# Altium PCB REV0.PcbDoc (part 1 of 2) (continued)
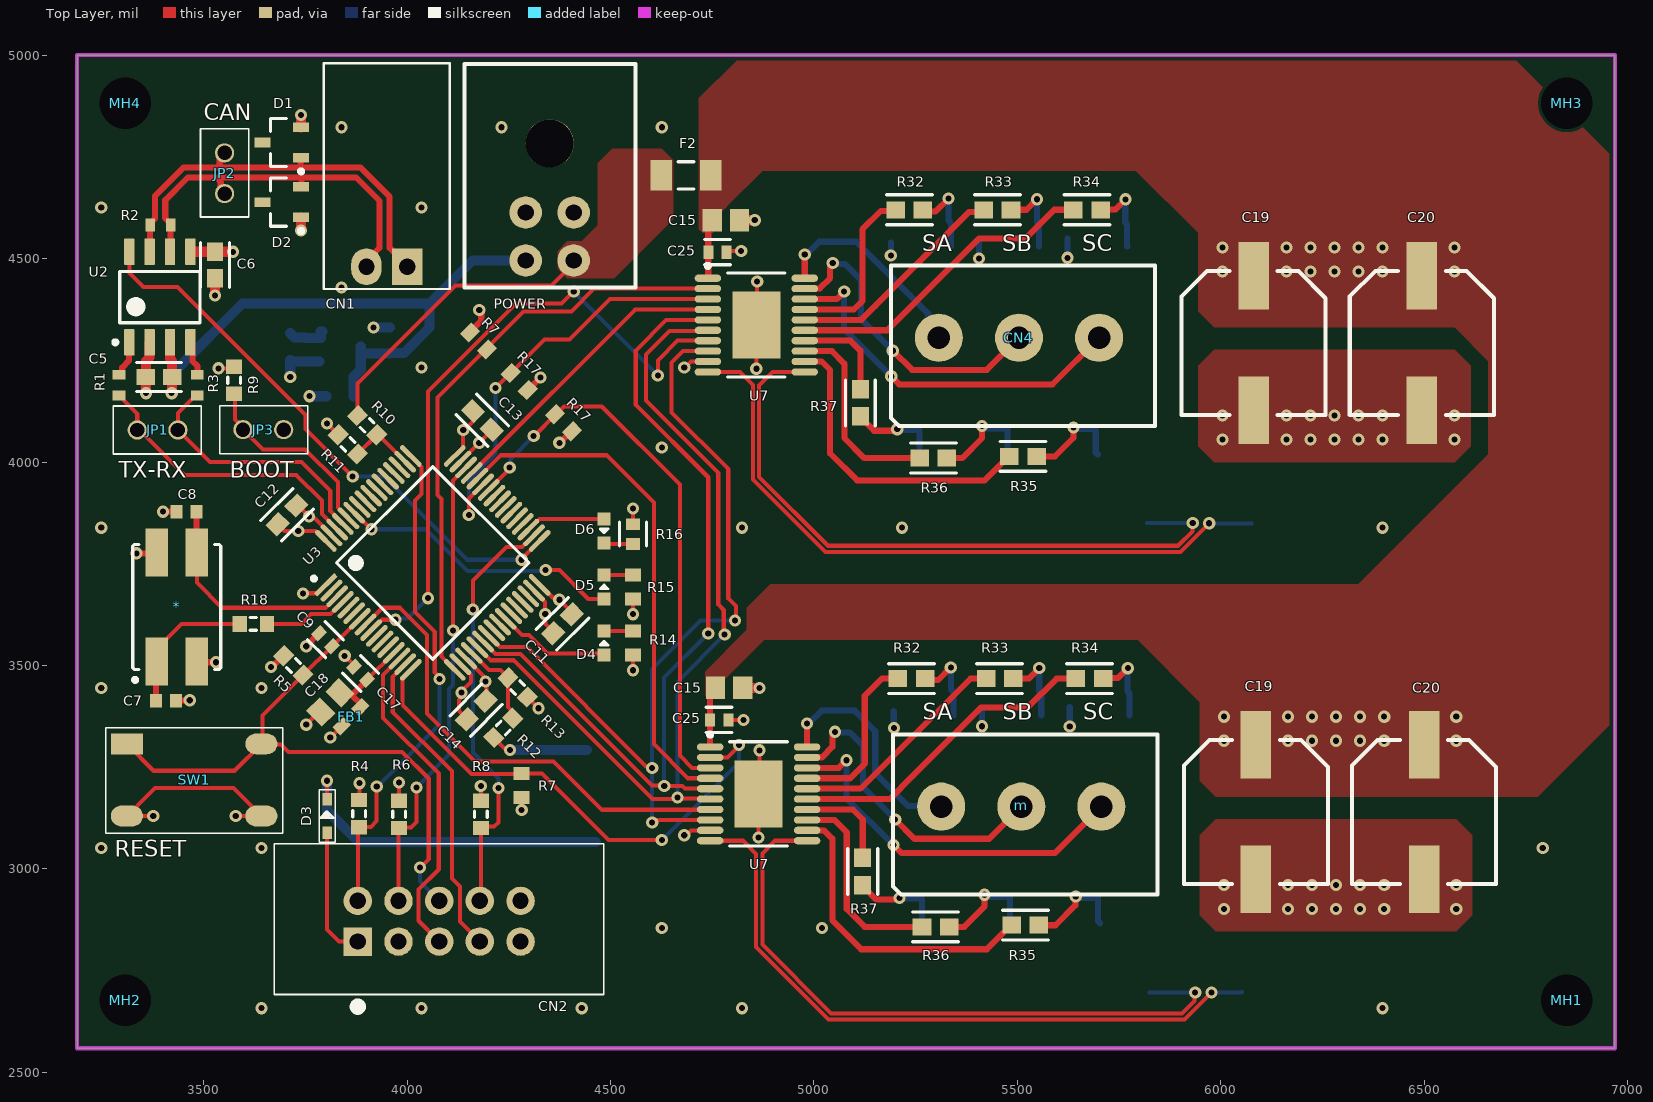
[diagram p0: Top Layer view]
## Components (designator, comment, footprint, x,y, rotation, side; value= is the part's Value field where it differs from the comment) (continued)
POWER "Header, Female, 2x2, RIght Angle, Pitch: 0.118\"  (3.00mm), THT" "2x2 Pitch 118mil connector" 4291.34,4613.39 r0 top (schematic designator "POWER RAIL")
Q2 "SI7625DN-T1-GE3" "PowerPAK 1212-8" 5259.06,4529.63 r0 bottom
Q2 "SI7625DN-T1-GE3" "PowerPAK 1212-8" 5264.76,3377.27 r0 bottom
Q3 "SI7625DN-T1-GE3" "PowerPAK 1212-8" 5475.59,4529.63 r0 bottom
Q3 "SI7625DN-T1-GE3" "PowerPAK 1212-8" 5481.3,3377.27 r0 bottom
Q4 "SI7625DN-T1-GE3" "PowerPAK 1212-8" 5692.13,4529.63 r0 bottom
Q4 "SI7625DN-T1-GE3" "PowerPAK 1212-8" 5697.83,3377.27 r0 bottom
Q5 "SIS476DN-T1-GE3" "PowerPAK 1212-8" 5337.01,4077.46 r180 bottom
Q5 "SIS476DN-T1-GE3" "PowerPAK 1212-8" 5342.72,2925.1 r180 bottom
Q6 "SIS476DN-T1-GE3" "PowerPAK 1212-8" 5553.54,4077.46 r180 bottom
Q6 "SIS476DN-T1-GE3" "PowerPAK 1212-8" 5559.25,2925.1 r180 bottom
Q7 "SIS476DN-T1-GE3" "PowerPAK 1212-8" 5770.08,4077.46 r180 bottom
Q7 "SIS476DN-T1-GE3" "PowerPAK 1212-8" 5775.79,2925.1 r180 bottom
R1 "RC0603FR-0733RL" RESC1608X55X25LL10T15 3291.34,4188.98 r90 top
R2 "RC0603FR-07120RL" RESC1608X55X25LL10T15 3393.7,4582.68 r180 top
R3 "RC0603FR-0733RL" RESC1608X55X25LL10T15 3484.25,4188.98 r90 top
R4 "10kR, 1%, 1/10W, 0603 SMD" "RESC1608N(0603\")" 3881.89,3135.83 r90 top value=10k
R5 "10kR, 1%, 1/10W, 0603 SMD" "RESC1608N(0603\")" 3720.47,3500 r135 top value=10k
R6 "10kR, 1%, 1/10W, 0603 SMD" "RESC1608N(0603\")" 3980.32,3133.86 r90 top value=10k
R7 "RC0603FR-0710KL" RESC1608X55X25ML10T15 4175.2,4297.24 r315 top
R7 "RC0603FR-0710KL" RESC1608X55X25ML10T15 4281.5,3204.72 r90 top
R8 "10kR, 1%, 1/10W, 0603 SMD" "RESC1608N(0603\")" 4181.1,3133.86 r90 top value=10k
R9 "10kR, 1%, 1/10W, 0603 SMD" "RESC1608N(0603\")" 3574.8,4200.79 r270 top value=10k
R10 "31.6kR, 1%, 1/10W, 0603, SMD" "RESC1608N(0603\")" 3901.62,4090.51 r135 top value=31.6kR
R11 "10kR, 1%, 1/10W, 0603 SMD" "RESC1608N(0603\")" 3854.37,4043.27 r315 top value=10k
R12 "5.62kR, 1%, 1/10W , 0603, SMD" "RESC1608N(0603\")" 4236.18,3346.42 r225 top value=5.62k
R13 "10kR, 1%, 1/10W, 0603 SMD" "RESC1608N(0603\")" 4271.65,3445.87 r135 top value=10k
R14 "RC0603FR-07110RL" RESC1608X55X25ML10T15 4555.12,3555.12 r90 top
R15 "RC0603FR-07110RL" RESC1608X55X25ML10T15 4555.12,3692.91 r90 top
R16 "CRCW0603330RFKEA" FP-CRCW0603-e3-IPC_C 4555.12,3822.83 r270 top
R17 "RC0603FR-0710KL" RESC1608X55X25ML10T15 4275.59,4197.83 r135 top
R17 "RC0603FR-0710KL" RESC1608X55X25ML10T15 4384.63,4096.67 r135 top
R18 "10kR, 1%, 1/10W, 0603 SMD" "RESC1608N(0603\")" 3622.05,3602.36 r180 top value=0
R29 "100kR, 1%, 1/10W, 0603 SMD" "RESC1608N(0603\")" 5298.03,4588.98 r180 bottom value=100k
R29 "100kR, 1%, 1/10W, 0603 SMD" "RESC1608N(0603\")" 5303.74,3436.62 r180 bottom value=100k
R30 "100kR, 1%, 1/10W, 0603 SMD" "RESC1608N(0603\")" 5514.57,4588.98 r180 bottom value=100k
R30 "100kR, 1%, 1/10W, 0603 SMD" "RESC1608N(0603\")" 5520.27,3436.62 r180 bottom value=100k
R31 "100kR, 1%, 1/10W, 0603 SMD" "RESC1608N(0603\")" 5731.1,4588.98 r180 bottom value=100k
R31 "100kR, 1%, 1/10W, 0603 SMD" "RESC1608N(0603\")" 5736.81,3436.62 r180 bottom value=100k
R32 "ERJ3EKF10R0V" FP-ERJ3EK-IPC_A 5234.29,4620.08 r0 top
R32 "ERJ3EKF10R0V" FP-ERJ3EK-IPC_A 5240,3467.72 r0 top
R33 "ERJ3EKF10R0V" FP-ERJ3EK-IPC_A 5450.82,4620.08 r0 top
R33 "ERJ3EKF10R0V" FP-ERJ3EK-IPC_A 5456.53,3467.72 r0 top
R34 "ERJ3EKF10R0V" FP-ERJ3EK-IPC_A 5671.29,4620.08 r0 top
R34 "ERJ3EKF10R0V" FP-ERJ3EK-IPC_A 5677,3467.72 r0 top
R35 "ERJ3EKF10R0V" FP-ERJ3EK-IPC_A 5513.81,4013.78 r0 top
R35 "ERJ3EKF10R0V" FP-ERJ3EK-IPC_A 5519.52,2861.42 r0 top
R36 "ERJ3EKF10R0V" FP-ERJ3EK-IPC_A 5293.34,4009.84 r0 top
R36 "ERJ3EKF10R0V" FP-ERJ3EK-IPC_A 5299.05,2857.49 r0 top
R37 "ERJ3EKF10R0V" FP-ERJ3EK-IPC_A 5114.17,4145.64 r270 top
R37 "ERJ3EKF10R0V" FP-ERJ3EK-IPC_A 5119.88,2993.28 r270 top
R38 "100kR, 1%, 1/10W, 0603 SMD" "RESC1608N(0603\")" 5298.03,4018.11 r180 bottom value=100k
R38 "100kR, 1%, 1/10W, 0603 SMD" "RESC1608N(0603\")" 5303.74,2865.75 r180 bottom value=100k
R39 "100kR, 1%, 1/10W, 0603 SMD" "RESC1608N(0603\")" 5514.57,4018.11 r180 bottom value=100k
R39 "100kR, 1%, 1/10W, 0603 SMD" "RESC1608N(0603\")" 5520.27,2865.75 r180 bottom value=100k
R40 "100kR, 1%, 1/10W, 0603 SMD" "RESC1608N(0603\")" 5731.1,4018.11 r180 bottom value=100k
R40 "100kR, 1%, 1/10W, 0603 SMD" "RESC1608N(0603\")" 5736.81,2865.75 r180 bottom value=100k
R41 "CSRL3-0R001F8" "RESC6332N(2512\")" 5945.87,3909.45 r180 bottom value=0.001
R41 "CSRL3-0R001F8" "RESC6332N(2512\")" 5951.58,2757.09 r180 bottom value=0.001
SW1 "PTS645SL43SMTR92LFS" 4-SPST-NO 3318.9,3307.09 r0 top
U1 "3.3V 250mA Linear Reg LDO" SOT95P245X110-3N 3838.58,4283.46 r0 bottom
U2 "CAN Transceiver" 8-SOIC 3392.1,4405.51 r90 top
U3 "STM32F413RGT6" FP-LQFP64-5W-IPC_A 4062.99,3751.97 r45 top
U7 "A4963, BLDC, 3Phase" TSOP65P640X120_HS-21M 4858.27,4336.61 r0 top
U7 "A4963, BLDC, 3Phase" TSOP65P640X120_HS-21M 4863.98,3184.26 r0 top

## Footprints (in the part's own frame and the unit in brackets; to place one, negate y for a bottom-side part, rotate by r counter-clockwise, add the part's x,y. Pads: shape width x height; smd on the part's side, far side on the other; paste and mask are expansions set on the pad)
"2X1 Female Header" [mil]
  rect 90x75 hole 40: 1(0,0)
  oval 90x75 hole 40: 2(0,-100)
  silkscreen extent -500,-205 55,105, body extent -495,-200 40,100, height 273
"2X1 Males Header" [mm]
  round 1.2 hole 0.9: 1(0,0) 2(2.54,0)
  silkscreen extent -1.5,-1.5 4,1.5, body extent -1.27,-1.24 3.81,1.25, height 8.54
"2x2 Pitch 118mil connector" [mil]
  round 80 hole 40: 1(0,0) 2(117.99,0) 3(0,-118) 4(118,-118)
  round 118.11 hole 118.11: None(59.06,170.08)
  silkscreen extent -150,-184 270,365, body extent -141,-129 259,353, height 348
"3x1, Terminal Block, Pitch: 5mm, Screw, THT" [mm]
  round 3 hole 1.4: 1(-5,0) 2(0,0) 3(5,0)
  silkscreen extent -8,-5.5 8.5,4.5, body extent -7.49,-5 8.08,4, height 11.4
4-SPST-NO [mm]
  rect 2x1.3 smd: 1(-0.2,0)
  oval 2x1.3 smd: 2(8.2,0) 3(-0.2,-4.5) 4(8.2,-4.5)
  silkscreen extent -1.52,-5.59 9.53,1.02, body extent -0.56,-5.29 8.44,0.71, height 5
8-SOIC [mm] "SOIC, 8-Leads, Body 5x4mm, Pitch 1.27mm, IPC Low Density"
  rrect15% 1.65x0.65 smd: 1(-2.825,1.905) 2(-2.825,0.635) 3(-2.825,-0.635) 4(-2.825,-1.905) 5(2.825,-1.905) 6(2.825,-0.635) 7(2.825,0.635) 8(2.825,1.905)
  silkscreen extent -2.95,-2.5 1.6,2.9, body extent -3,-2.45 3,2.45, height 1.63
"10-pin shrouded header THT" [mil]
  rect 70x70 hole 40: 1(0,0)
  round 70 hole 40: 2(100,0) 3(200,0) 4(300,0) 5(400,0) 6(0,100) 7(100,100) 8(200,100) 9(300,100) 10(400,100)
  silkscreen extent -205,-170 605,240, body extent -198,-124 598,234, height 358
"0803 CAP" [mm] "Chip Capacitor, 2-Leads, Body 2.00x1.25mm, IPC Medium Density"
  rect 1.2x1.4 smd: 1(-0.85,0) 2(0.85,0)
  body extent -1.05,-0.67 1.05,0.67, height 1.25
CAPC1608X90X35LL10T15 [mm] "Chip Capacitor, 2-Leads, Body 1.60x0.80mm, IPC High Density"
  rect 0.75x0.85 smd: 1(-0.625,0) 2(0.625,0)
  body extent -0.85,-0.45 0.85,0.45, height 0.9
CAPC3216X180X50ML20T30 [mm] "Chip Capacitor, 2-Leads, Body 3.4x1.8mm, IPC Low Density"
  rect 1.6x1.9 smd: 1(-1.45,0) 2(1.45,0)
  silkscreen extent -0.25,-0.85 0.25,0.85, body extent -1.7,-0.9 1.7,0.9, height 1.8
Clearance_M3_UNPLATED [mm]
  round 2 hole 3.2 unplated: ""(0,0)
FP-CL10-0_1-IPC_A [mil]
  rect 45.6x39.85 smd paste+0 mask+0: 1(-32.56,0) 2(32.56,0)
  silkscreen extent -55,-36 55,36, body extent -31,-16 31,16, height 36
FP-CL10-0_1-MFG [mm]
  rect 0.625x0.825 smd paste+0 mask+0: 1(-0.575,0) 2(0.575,0)
  silkscreen extent -0.8,-0.79 0.8,0.79, body extent -0.99,-0.55 0.99,0.55, height 0.25
FP-CRCW0603-e3-IPC_C [mil]
  rect 28.94x33.94 smd paste+0 mask+0: 1(-24.23,0) 2(24.23,0)
  silkscreen extent -30,-33 30,33, body extent -43,-23 43,23, height 10
FP-ERJ3EK-IPC_A [mil]
  rect 45.53x41.82 smd paste+0 mask+0: 1(-33.5,0) 2(33.5,0)
  silkscreen extent -56,-37 56,37, body extent -31,-16 31,16, height 22
FP-LB_Q39E-MFG [mm]
  rect 0.8x0.8 smd paste+0 mask+0: 1(-0.75,0) 2(0.75,0)
  silkscreen extent -0.13,-0.25 0.13,0.25, body extent -1.25,-0.55 1.25,0.55, height 0.25
FP-LQFP64-5W-IPC_A [mm]
  rect 1.788x0.312 smd paste+0 mask+0: 1(-5.691,3.75)
  rrect100% 1.788x0.312 smd paste+0 mask+0: 2(-5.691,3.25) 3(-5.691,2.75) 4(-5.691,2.25) 5(-5.691,1.75) 6(-5.691,1.25) 7(-5.691,0.75) 8(-5.691,0.25) 9(-5.691,-0.25) 10(-5.691,-0.75) 11(-5.691,-1.25) 12(-5.691,-1.75) 13(-5.691,-2.25) 14(-5.691,-2.75) 15(-5.691,-3.25) 16(-5.691,-3.75) 33(5.691,-3.75) 34(5.691,-3.25) 35(5.691,-2.75) 36(5.691,-2.25) 37(5.691,-1.75) 38(5.691,-1.25) 39(5.691,-0.75) 40(5.691,-0.25) 41(5.691,0.25) 42(5.691,0.75) 43(5.691,1.25) 44(5.691,1.75) 45(5.691,2.25) 46(5.691,2.75) 47(5.691,3.25) 48(5.691,3.75)
  rrect100% 0.312x1.788 smd paste+0 mask+0: 17(-3.75,-5.691) 18(-3.25,-5.691) 19(-2.75,-5.691) 20(-2.25,-5.691) 21(-1.75,-5.691) 22(-1.25,-5.691) 23(-0.75,-5.691) 24(-0.25,-5.691) 25(0.25,-5.691) 26(0.75,-5.691) 27(1.25,-5.691) 28(1.75,-5.691) 29(2.25,-5.691) 30(2.75,-5.691) 31(3.25,-5.691) 32(3.75,-5.691) 49(3.75,5.691) 50(3.25,5.691) 51(2.75,5.691) 52(2.25,5.691) 53(1.75,5.691) 54(1.25,5.691) 55(0.75,5.691) 56(0.25,5.691) 57(-0.25,5.691) 58(-0.75,5.691) 59(-1.25,5.691) 60(-1.75,5.691) 61(-2.25,5.691) 62(-2.75,5.691) 63(-3.25,5.691) 64(-3.75,5.691)
  silkscreen extent -6.07,-4.25 4.25,4.68, body extent -7.09,-7.09 7.09,7.09, height 0.25
MURA-BLM18-F-H1-CHIP-2_V [mm] "Chip Ferrite Bead, 2-Leads, Body 1.6x0.8mm, Height 0.95mm, Flow"
  rect 0.95x0.7 smd: 1(-0.825,0) 2(0.825,0)
  body extent -0.8,-0.4 0.8,0.4, height 0.95
"PowerPAK 1212-8" [mm] "PowerPAK MOSFET Package"
  rect 0.405x0.99 smd: 1(0,0) 2(0.66,0) 3(1.32,0) 4(1.98,0) 5(1.98,2.985) 6(1.32,2.985) 7(0.66,2.985) 8(0,2.985)
  rect 2.235x1.725 smd: 9(0.99,1.992)
  silkscreen extent -0.64,-0.61 -0.44,-0.41, body extent -0.65,-0.15 2.65,3.15, height 1.04
QFN250P750X520X140_HS-5M [mm] "QFN, 4-Leads, Body 7.50x5.20mm, Pitch 2.50mm, Thermal Pad 4.10x1.10mm, IPC Low Density"
  rect 3x1.4 smd: 1(-3.4,1.25) 2(-3.4,-1.25) 3(3.4,-1.25) 4(3.4,1.25)
  silkscreen extent -4.67,-2.75 3.9,2.75, body extent -3.75,-2.6 3.75,2.6, height 1.4
Radial_CAN_8.3mm_10.5mm [mm] "Radial Electrolytic Can, 8.3mm Radius, 10.5mm Height"
  rect 4.2x1.9 smd: 1(4.2,0) 2(-4.2,0)
  silkscreen extent -4.5,-4.5 4.5,4.5, body extent -4.95,-4.15 4.95,4.15, height 10.2
RESC1206(3216) [mm] "Chip Resistor, Body 3.2x1.6mm, IPC Low Density"
  rect 1.35x1.9 smd: 1(-1.55,0) 2(1.55,0)
  silkscreen extent -0.5,-0.85 0.5,0.85, body extent -1.67,-0.87 1.67,0.87, height 0.75
"RESC1608N(0603\")" [mm] "Chip Resistor, Body 1.6x0.8mm (0603\"), IPC Medium Density"
  rect 0.9x1 smd: 1(-0.85,0) 2(0.85,0)
  silkscreen extent -0.2,-0.4 0.2,0.4, body extent -0.77,-0.42 0.78,0.43, height 0.44
RESC1608X55X25LL10T15 [mm] "Chip Resistor, 2-Leads, Body 1.60x0.80mm, IPC High Density"
  rect 0.6x0.8 smd: 1(-0.65,0) 2(0.65,0)
  body extent -0.85,-0.45 0.85,0.45, height 0.55
RESC1608X55X25ML10T15 [mm] "Chip Resistor, 2-Leads, Body 1.60x0.80mm, IPC Low Density"
  rect 0.8x1 smd: 1(-0.75,0) 2(0.75,0)
  body extent -0.85,-0.45 0.85,0.45, height 0.55
"RESC6332N(2512\")" [mm] "Chip Resistor, Body 6.3x3.2mm (2512\"), IPC Medium Density"
  rect 1.3x3.4 smd: 1(-2.95,0) 2(2.95,0)
  silkscreen extent -1.9,-1.6 1.9,1.6, body extent -3.2,-1.6 3.2,1.6, height 0.6
SC-76 [mm]
  rect 0.8x0.6 smd: A(-1.05,0) K(1.05,0)
  silkscreen extent -1.65,-0.5 1.65,0.5, body extent -1.25,-0.65 1.25,0.6, height 0.9
SOT95P245X110-3N [mm] "SOT23, 3-Leads, Body 2.90x2.45mm, Pitch 0.95mm, IPC Medium Density"
  rect 1x0.6 smd: 1(-1.2,0.95) 2(-1.2,-0.95) 3(1.2,0)
  silkscreen extent -1.33,-1.5 0.7,1.92, body extent -1.3,-1.5 1.3,1.5, height 1.1
TSOP65P640X120_HS-21M [mm] "TSOP, 20-Leads, Body 6.50x4.40mm, Pitch 0.65mm, Thermal Pad 4.20x3.00mm, IPC Low Density"
  oval 1.65x0.45 smd: 1(-3.025,2.925) 2(-3.025,2.275) 3(-3.025,1.625) 4(-3.025,0.975) 5(-3.025,0.325) 6(-3.025,-0.325) 7(-3.025,-0.975) 8(-3.025,-1.625) 9(-3.025,-2.275) 10(-3.025,-2.925) 11(3.025,-2.925) 12(3.025,-2.275) 13(3.025,-1.625) 14(3.025,-0.975) 15(3.025,-0.325) 16(3.025,0.325) 17(3.025,0.975) 18(3.025,1.625) 19(3.025,2.275) 20(3.025,2.925)
  rect 3x4.2 smd: 21(0,0)
  silkscreen extent -3.15,-3.25 1.8,3.82, body extent -3.2,-3.25 3.2,3.25, height 1.2

## Part data
*: library part CMP-00079-3, "8MHz ±30ppm Crystal 16pF 80 Ohms 4-SMD, No Lead", Case/Package=CSMD, ESR (Equivalent Series Resistance)=80R, Frequency=8MHz, Frequency Stability=50ppm, Load Capacitance=16pF, Max Operating Temperature=70°C, Min Operating Temperature=-20°C, Depth=5.2mm, Length=7.5mm, Number of Pins=4, Packaging="Tape and Reel"
C1 C3 C4 C15 C15 C18: library part CMP-00005-3, "SAMSUNG ELECTRO-MECHANICS - CL21B105KBFNNNG - MLCC CAPACITORS", Capacitance=1uF, Case Code (Imperial)=0805, Case Code (Metric)=2012, Dielectric=X7R, Max Operating Temperature=125°C, Min Operating Temperature=-55°C, Package Quantity=3000, Tolerance=10%, Voltage=50V, Case/Package=0805, Contact Plating=Tin, Depth=1.25mm, Length=2mm, Material=Ceramic, Mount="Surface Mount", Packaging="Tape and Reel", Termination=Wraparound, Thickness=0.053inch, Voltage Rating=50V, Width=0.049inch
C2 C5 C6 C11 C12 C13 C14: library part CMP-00000-4, "CAP CER 0.1UF 50V X7R 0603", Capacitance=0.1uF, Case Code (Imperial)=0603, Case Code (Metric)=1608, Dielectric=X7R, Max Operating Temperature=125°C, Min Operating Temperature=-55°C, Package Quantity=1, Tolerance=5%, Voltage=50V, Case/Package=0603, Contact Plating=Tin, Depth=0.8mm, Height=0.8mm, Length=1.6mm, Material=Ceramic, Mount="Surface Mount", Packaging="Tape and Reel", Radiation Hardening=No, Thickness=0.035inch, Voltage Rating=50V, Width=0.031inch
C7 C8: library part CMP-00087-2, "Cap Ceramic 16pF 50V C0G 5% SMD 0603 125C Paper T/R", Capacitance=16pF, Case Code (Imperial)=0603, Case Code (Metric)=1608, Dielectric=C0G, Max Operating Temperature=125°C, Min Operating Temperature=-55°C, Package Quantity=1, Temperature Coefficient=30ppm/°C, Tolerance=5%, Voltage=50V, Case/Package=0603, Depth=0.8mm, Height=0.8mm, Lead Free="Lead Free", Length=1.6mm, Mount="Surface Mount", Packaging="Tape and Reel", Radiation Hardening=No, Termination=SMD/SMT, Thickness=0.035inch, Voltage Rating=50V, Voltage Rating (DC)=50V, Width=0.8mm
C9 C17 C21 C21 C22 C22 C23 C23 C25 C25: library part CMP-00000-3, "CAP CER 0.1UF 50V X7R 0603", Capacitance=0.1uF, Case Code (Imperial)=0603, Case Code (Metric)=1608, Dielectric=X7R, Max Operating Temperature=125°C, Min Operating Temperature=-55°C, Package Quantity=1, Tolerance=5%, Voltage=50V, Case/Package=0603, Contact Plating=Tin, Depth=0.8mm, Height=0.8mm, Length=1.6mm, Material=Ceramic, Mount="Surface Mount", Packaging="Tape and Reel", Radiation Hardening=No, Thickness=0.035inch, Voltage Rating=50V, Width=0.031inch
C10 C10: library part CMP-00004-2, "Cap Ceramic 10uF 50V X7R 10% Pad SMD 1206 125°C T/R", Capacitance=10uF, Case Code (Imperial)=1206, Case Code (Metric)=3216, Dielectric=X7R, Max Operating Temperature=125°C, Min Operating Temperature=-55°C, Tolerance=10%, Voltage Rating=50V, Case/Package=1206, Lead Free="Lead Free", Length=0.126inch, Mount="Surface Mount", Packaging="Tape and Reel", Thickness=0.071inch, Voltage Rating (DC)=50V, Width=0.063inch
C19 C19 C20 C20: library part CMP-006-0034-1, "Capacitor, Polarized, Aluminum, 50V", Component Type=Standard, Created By="Ashwin Sira", Date Created=2016-06-25, Design Item ID="220uF, 50V, 20%, Alum, Polarized, SMD", PackageDescription=Can, Pin Count=2, Publisher=AUVic, Source=AUVic_Schematic_Library_Capacitors.SchLib
CN1: library part CMP-00010-3, "02 MTE HDR SRRA LATCH", Color=Black, Contact Current Rating=3A, Contact Resistance=15mR, Flammability Rating="UL94 V-0", Insulation Resistance=5GR, Max Operating Temperature=105°C, Min Operating Temperature=-65°C, Package Quantity=68, Approvals=CSA, Backwall/Post Interruptions="No (Without)", Connector Type=Plug,Header,Pin, Contact Gender=Male, Contact Material=Brass, Contact Mating Length=0.23inch, Contact Plating=Gold,Tin,Matte, Contact Retention="Yes (With)", Contact Shape=Square, Current Rating=3A, Depth=13.59mm, ELV=Compliant, Gender=Male, Height=13.59mm, Housing Color=Black, Housing Material=Thermoplastic, Lead Free="Lead Free", Length=7.62mm, Mating Alignment="Yes (With)", Mating Retention="Yes (With)", Mount="Through Hole", Number of Contacts=2, Number of Positions=2, Number of Rows=1, Orientation="Right Angle", Packaging=Rail/Tube, PCB Mount Alignment="No (Without)", PCB Mount Retention=Without, PCB Mounting Orientation="Right Angle", PCB Thickness=0.062inch, Pitch=2.54mm, REACH SVHC=Unknown, Row Spacing=0.1inch, Strain Relief="No (Without)", Tail Length=3.3mm, Termination=Crimp
CN2: library part CMP-00011-6, "CONN HEADER VERT 10POS 2.54MM", Color=Black, Package Quantity=1, Connector Type="Male Pin", Contact Plating=Gold, Lead Free="Lead Free", Mount="Through Hole", Number of Positions=10, Number of Rows=2, Packaging=Tray, Pitch=0.1inch, Row Spacing=0.1inch, Termination=Solder
CN4 m: library part CMP-005-0011-1, Component Type=Standard, Date Published=2014-06-03, Design Item ID="3x1, Terminal Block, Pitch: 5mm, Screw, THT", Pin Count=3, Publisher="AUVic, Ashwin Sira", Source=AUVic_Schematic_Library_Connectors.SchLib
D1 D2: library part CMP-058-0000-2, "TVS DIODE 36V 60V SOT23", Component Type=Standard, Created By="Miguel Manguerra", Date Created=2020-05-18, Design Item ID=PESD36VS2UT,215, Pin Count=3, Source=AUVic_Schematic_Library_Diodes.SchLib
D3: library part CMP-057-0000-2, "Diode Schottky 30V 800mA Surface Mount USC", Average Rectified Current=800mA, Case/Package=SOD, Max Operating Temperature=125°C, Max Repetitive Reverse Voltage (Vrrm)=30V, Min Operating Temperature=-55°C, Peak Non-Repetitive Surge Current=5A, Peak Reverse Current=50uA, Contact Plating=Tin,Silver, Element Configuration=Single, Max Reverse Voltage (DC)=30V, Mount="Surface Mount", Number of Pins=2, Packaging="Tape and Reel"
D4: library part CMP-00064-3, "LED GREEN DIFFUSED 0603 SMD", Case/Package=SMD/SMT, Color=Green, Forward Current=15mA, Forward Voltage=2.85V, Max Operating Temperature=85°C, Min Operating Temperature=-40°C, Reverse Voltage=5V, Test Current=5mA, Depth=0.9mm, Dominant Wavelength=530nm, Length=1.7mm, Lens Style=Diffused,Colorless,Rectangular, Luminous Flux=0.55lm, Luminous Intensity=280mcd, Mount="Surface Mount", Number of Elements=1, Number of LEDs=1, Number of Pins=2, Packaging="Tape and Reel", Radiation Hardening=No
D5: library part CMP-00063-3, "LED BLUE DIFFUSED 0603 SMD", Case Code (Imperial)=0603, Case Code (Metric)=1608, Color=Blue, Forward Voltage=2.85V, Lens Color=White, Test Current=5mA, Case/Package=0603, Dominant Wavelength=470nm, Height=0.4mm, Length=1.6mm, Lens Size=0.8mm, Lens Style=Flat,Diffused,Colorless,Rectangular, Lens Transparency=Diffused, Luminous Flux=0.13lm, Luminous Intensity=42mcd, Mount="Surface Mount", Number of LEDs=1, Number of Pins=2, Packaging="Tape and Reel", Radiation Hardening=No, Viewing Angle=130°, Width=0.8mm
D6: library part CMP-00066-2, "LED Red 645nm 2-Pin Chip 0603(1608Metric) T/R", Case Code (Imperial)=0603, Case Code (Metric)=1608, Color=Red, Forward Current=25mA, Forward Voltage=2.5V, Lens Color=White, Max Operating Temperature=85°C, Min Operating Temperature=-30°C, Package Quantity=1, Power Dissipation=65mW, Reverse Voltage=12V, Test Current=20mA, Case/Package=0603, Depth=0.9mm, Dominant Wavelength=633nm, Height=0.8mm, Illumination Color=Red, Length=1.7mm, Lens Size=0.8mm, Lens Style=Diffused,Flat,Colorless,Rectangular, Lens Transparency=Diffused, Luminous Flux=0.33lm, Luminous Intensity=180mcd, Mount="Surface Mount", Number of Elements=1, Number of LEDs=1, Number of Pins=2, Packaging="Tape and Reel", Radiation Hardening=No, Viewing Angle=160°, Width=0.8mm
F2: library part CMP-00009-1, "Fuse, Smd, 2A, Slow Blow, 1206", Case Code (Imperial)=1206, Case Code (Metric)=3216, Current Rating=2A, DC Cold Resistance=123mR, Max Operating Temperature=125°C, Min Operating Temperature=-55°C, Voltage Rating (AC)=63V, Approvals=CE,cURus, Case/Package=1206, Fuse Type="Board Mount (Cartridge Style Excluded)", Mount="Surface Mount", Packaging="Tape and Reel", Voltage Rating (DC)=63V
FB1: library part CMP-00016-1, "MURATA - BLM18AG601SN1D - Feritový Korálek, 0603 / 1608, 600 ohm, 500 mA, Série BLM18A, 0.38 ohm, ± 25%", Case Code (Imperial)=0603, Case Code (Metric)=1608, Current Rating=500mA, DC Resistance (DCR)=380mR, Frequency=100MHz, Max Operating Temperature=125°C, Min Operating Temperature=-55°C, Package Quantity=1, Tolerance=25%, Case/Package=0603, Core Material=Ferrite, DC Current=500mA, Depth=0.8mm, Height=0.8mm, Impedance=600R, Lead Free="Lead Free", Length=1.6mm, Material=Steel,Ferrite, Max Current Rating=500mA, Max DC Current=500mA, Military Standard=Not, Number of Circuits=1, Number of Lines=1, Number of Pins=2, Packaging="Tape and Reel", Radiation Hardening=No, REACH SVHC="No SVHC", Shielding=Unshielded, Termination=SMD/SMT, Test Frequency=100MHz, Weight=7.1E-05oz, Width=0.8mm
JP1 JP2 JP3: library part CMP-004-0001-1, Component Type=Standard, Design Item ID="1x2 Male Header", Made By="Andy Bates", Pin Count=2, Source=AUVic_Schematic_Library_Connectors.SchLib
MH1 MH2 MH3 MH4: library part CMP-053-0001-1, Component Type="Standard (No BOM)", Created By="Ashwin Sira", Date Created=2016-06-08, Design Item ID="Mounting Hole, M3, Unplated", Pin Count=0, Publisher=AUVic, Source=AUVic_Integrated_Library_Virtual_Components.SchLib
POWER: library part CMP-005-0021-4, "Connector Header Through Hole, Right Angle 4 position 0.118\" (3.00mm)", Component Type=Standard, Created By="Poorna Chander Kalidas", Date Published=2020-05-16, Design Item ID="Header, Female, 2x2, RIght Angle, Pitch: 0.118\"  (3.00mm), THT", Pin Count=4, Publisher=AUVic, Source=AUVic_Schematic_Library_Connectors.SchLib
Q2 Q2 Q3 Q3 Q4 Q4: library part CMP-052-0024-1, "P-Channel 30V 35A (Tc) 3.7W (Ta), 52W (Tc) Surface Mount PowerPAK® 1212-8", Component Type=Standard, Created By="Poorna Chander Kalidas", Design Item ID=SI7625DN-T1-GE3, Pin Count=9, Source=AUVic_Schematic_Library_Transistors.SchLib
Q5 Q5 Q6 Q6 Q7 Q7: library part CMP-052-0025-1, "N-Channel 30V 40A (Tc) 3.7W (Ta), 52W (Tc) Surface Mount PowerPAK® 1212-8", Component Type=Standard, ComponentLink1Description=Digi-Key, ComponentLink1URL=https://www.digikey.ca/product-detail/en/diodes-incorporated/DMN3023L-7/DMN3023L-7DICT-ND/5453155, Created By="Poorna Chander Kalidas", Design Item ID=SIS476DN-T1-GE3, Pin Count=9, Source=AUVic_Schematic_Library_Transistors.SchLib
R1 R3: library part CMP-00060-1, "Res Thick Film 0603 33 Ohm 1% 1/10W +/-100ppm/ßC Molded SMD Paper T/R", Case Code (Imperial)=0603, Case Code (Metric)=1608, Max Operating Temperature=155°C, Max Power Dissipation=100mW, Min Operating Temperature=-55°C, Package Quantity=1, Resistance=33R, Temperature Coefficient=100ppm/°C, Tolerance=1%, Voltage Rating=75V, Voltage Rating (DC)=50V, Case/Package=0603, Composition="Thick Film", Depth=0.8mm, Features="Moisture Resistant", Height=0.45mm, Lead Free="Lead Free", Lead Pitch=0.3mm, Length=1.6mm, Military Standard=Not, Number of Pins=2, Number of Terminations=2, Packaging="Tape and Reel", Power Rating=100mW, REACH SVHC="No SVHC", Termination=SMD/SMT, Weight=7.1E-05oz, Width=0.8mm
R2: library part CMP-00061-1, "Res Thick Film 0603 120 Ohm 1% 0.1W(1/10W) ±100ppm/C Epoxy SMD T/R", Case Code (Imperial)=0603, Case Code (Metric)=1608, Max Operating Temperature=155°C, Max Power Dissipation=100mW, Min Operating Temperature=-55°C, Package Quantity=1, Resistance=120R, Temperature Coefficient=100ppm/°C, Tolerance=1%, Voltage Rating=50V, Case/Package=0603, Composition="Thick Film", Depth=0.8mm, Features="Moisture Resistant", Height=0.022inch, Lead Free="Lead Free", Length=1.6mm, Military Standard=Not, Number of Pins=2, Number of Terminations=2, Packaging="Tape and Reel", Power Rating=100mW, REACH SVHC="No SVHC", Termination=SMD/SMT, Voltage Rating (DC)=50V, Width=0.031inch
R4 R5 R6 R8 R9 R11 R13 R18: library part CMP-047-0013-1, Component Type=Standard, Created On=14-05-31, Design Item ID="10kR, 1%, 1/10W, 0603 SMD", Last Edited=14-05-31, Made By="Ashwin Sira", Owned By=AUVic, Pin Count=2, Source=AUVic_Schematic_Library_Resistors.SchLib
R7 R7 R17 R17: library part CMP-00037-2, "Res General Purpose Thick Film 0603 10K Ohm 1% 1/10W ±100ppm/°C Molded SMD Paper T/R", Case Code (Imperial)=0603, Case Code (Metric)=1608, Max Operating Temperature=155°C, Min Operating Temperature=-55°C, Power Rating=100mW, Resistance=10kR, Temperature Coefficient=100ppm/°C, Tolerance=1%, Voltage Rating=75V, Voltage Rating (DC)=50V, Case/Package=0603, Composition="Thick Film", Depth=0.8mm, Height=0.45mm, Lead Free="Lead Free", Lead Pitch=0.3mm, Length=1.6mm, Military Standard=Not, Number of Pins=2, Packaging="Tape and Reel", REACH SVHC="No SVHC", Termination=SMD/SMT, Weight=7.1E-05oz, Width=0.8mm
R10: library part CMP-047-0042-1, Component Type=Standard, ComponentLink1Description=Digikey, ComponentLink1URL=https://www.digikey.ca/product-detail/en/stackpole-electronics-inc/RMCF0603FT31K6/RMCF0603FT31K6CT-ND/1943089, Created By="Robert Keen", Date Created=2018-07-18, Design Item ID="31.6kR, 1%, 1/10W, 0603, SMD", Pin Count=2, Source=AUVic_Schematic_Library_Resistors.SchLib
R12: library part CMP-047-0057-1, Component Type=Standard, Created By="Andy Bates", Date Created=2016-06-29, Design Item ID="5.62kR, 1%, 1/10W , 0603, SMD", Pin Count=2, Publisher=AUVic, Source=AUVic_Schematic_Library_Resistors.SchLib
R14 R15: library part CMP-00069-1, "RES SMD 110 OHM 1% 1/10W 0603", Case Code (Imperial)=0603, Case Code (Metric)=1608, Max Operating Temperature=155°C, Max Power Dissipation=100mW, Min Operating Temperature=-55°C, Package Quantity=1, Resistance=110R, Temperature Coefficient=100ppm/°C, Tolerance=1%, Voltage Rating=50V, Working Voltage=75V, Case/Package=0603, Composition="Thick Film", Depth=0.8mm, Features="Moisture Resistant", Height=0.022inch, Lead Free="Lead Free", Length=1.6mm, Military Standard=Not, Number of Terminations=2, Packaging="Tape and Reel", Power Rating=100mW, Termination=SMD/SMT, Voltage Rating (DC)=50V, Width=0.031inch
R16: library part CMP-00067-2, "Res Thick Film 0603 330 Ohm 1% 0.1W(1/10W) +/-100ppm/ßC Pad SMD Automotive T/R", Case Code (Imperial)=0603, Case Code (Metric)=1608, Max Operating Temperature=155°C, Max Power Dissipation=100mW, Min Operating Temperature=-55°C, Package Quantity=10, Resistance=330R, Temperature Coefficient=100ppm/°C, Tolerance=1%, Voltage Rating=75V, Case/Package=0603, Composition="Thick Film", Contact Plating=Tin, Depth=0.85mm, Features="Automotive AEC-Q200", Height=0.45mm, Lead Free="Lead Free", Length=1.55mm, Military Standard=Not, Mount="Surface Mount", Number of Terminations=2, Packaging="Tape and Reel", Power Rating=100mW, Radiation Hardening=No, REACH SVHC=Unknown, Termination=SMD/SMT, Voltage Rating (DC)=75V, Weight=7.1E-05oz, Width=0.033inch
R29 R29 R30 R30 R31 R31 R38 R38 R39 R39 R40 R40: library part CMP-047-0010-1, Component Type=Standard, Created On=14-06-30, Design Item ID="100kR, 1%, 1/10W, 0603 SMD", Last Edited=14-06-30, Made By="Andy Bates", Owned By=AUVic, Pin Count=2, Source=AUVic_Schematic_Library_Resistors.SchLib
R32 R32 R33 R33 R34 R34 R35 R35 R36 R36 R37 R37: library part CMP-00034-2, "PANASONIC - ERJ3EKF10R0V - SMD Chip Resistor, 0603 [1608 Metric], 10 ohm, ERJ3EK Series, 75 V, Thick Film, 100 mW", Case Code (Imperial)=0603, Case Code (Metric)=1608, Max Operating Temperature=155°C, Max Power Dissipation=100mW, Min Operating Temperature=-55°C, Package Quantity=5000, Resistance=10R, Temperature Coefficient=100ppm/°C, Tolerance=1%, Voltage Rating=75V, Case/Package=0603, Composition="Thick Film", Contact Plating=Tin, Depth=0.8mm, Features="Automotive AEC-Q200", Height=0.45mm, Lead Free="Lead Free", Length=1.6mm, Military Standard=Not, Mount="Surface Mount", Number of Pins=2, Number of Terminations=2, Packaging="Tape and Reel", Power Rating=100mW, Radiation Hardening=No, REACH SVHC="No SVHC", Termination=SMD/SMT, Voltage Rating (DC)=75V, Width=0.8mm, Working Voltage=75V
R41 R41: library part CMP-009-00000-2, "Res 0.001 Ohm 1% 3W 2512"
SW1: library part CMP-00077-1, "Black Switch Tactile N.O. SPST Round Button Gull Wing 0.05A 12VDC 100000Cycles 1.27N SMD T/R", Button Colour=Black, Contact Resistance=100mR, Current Rating=50mA, Max Operating Temperature=60°C, Max Voltage Rating (DC)=12V, Min Operating Temperature=-20°C, Operating Force=1.27N, Package Quantity=1000, Actuator Length=0.85mm, Actuator Material=Nylon,Polyamide, Actuator Type=Standard, Color=Black, Contact Material=Bronze,Brass,Silver, Contact Plating=Silver, Depth=9mm, Illumination Type=Non-Illuminated, Lead Free="Lead Free", Length=6mm, Max Current Rating=50mA, Mechanical Life=100000Cycles, Mount="Surface Mount", Orientation=Straight, Packaging="Tape and Reel", Switch Function=Off-Mom, Termination="Gull Wing", Throw Configuration=SPST, Voltage Rating (DC)=12V
U1: library part CMP-00003-1, "IC REG LINEAR 3.3V 250MA SOT23-3", Case/Package=SOT-23-3, Dropout Voltage=400mV, Max Input Voltage=6.6V, Max Operating Temperature=85°C, Max Output Current=250mA, Min Input Voltage=2.5V, Min Operating Temperature=-40°C, Output Voltage=3.3V, Package Quantity=3000, Quiescent Current=1uA, Supplier Part Number 1=AP2138N-3.3TRG1, Accuracy=2%, Created By="Poorna Chander Kalidas", Date Created="June 26, 2020", Height=1.3mm, Lead Free="Lead Free", Length=3.02mm, Mount="Surface Mount", Number of Outputs=1, Number of Pins=3, Number of Regulators=1, Output Current=250mA, Output Type=Fixed, Packaging="Tape and Reel", Polarity=Positive, Supplier 1=Digi-Key, Weight=0.000282oz, Width=1.7mm
U2: library part CMP-032-0000-2, "1/1 Transceiver Half CANbus 8-SO", Case/Package=SO, Max Operating Temperature=150°C, Max Supply Current=70mA, Max Supply Voltage=5.5V, Min Operating Temperature=-40°C, Min Supply Voltage=4.5V, Package Quantity=2500, Contact Plating=Gold, Data Rate=1Mbps, Interface=CAN, Lead Free="Lead Free", Mount="Surface Mount", Nominal Supply Current=70mA, Number of Pins=8, Number of Transceivers=1, Packaging="Tape and Reel", Propagation Delay=250ns, Radiation Hardening=No, Turn-On Delay Time=250ns
U3: library part CMP-00006-2, "STMICROELECTRONICS - STM32F413RGT6 - MCU, ARM CORTEX-M4, 100MHZ, LQFP-64", Case/Package=LQFP, Frequency=100MHz, Max Operating Temperature=85°C, Min Operating Temperature=-40°C, Core Architecture=ARM, Interface=I2C,SPI,USB,IrDA,MMC,SDIO,UART,USART, Memory Size=1MB, Memory Type=FLASH, Number of I/Os=50, Oscillator Type=Internal, Packaging=Tray, Peripherals="Brown-out Detect/Reset,POR,PWM,WDT,DMA,LCD"
U7 U7: library part CMP-041-0002-1, "A4963, BLDC, 3 Phase, Sensorless", Component Type=Standard, Created By="Poorna Chander Kalidas", Design Item ID="A4963, BLDC, 3Phase", Pin Count=21, Source=AUVic_Schematic_Library_Motor_Controllers.SchLib

## Via types
v1: diameter 30, hole 15, Top Layer to Bottom Layer, tented both sides, 194 vias

## Nets (pads, with @x,y where several pads share a name; then routed paths per layer and width w, separated by ;. In a path a pad name is that pad's centre, name@x,y a point inside that pad or via, vN(x,y) a via of type N, cw(c..) or ccw(c..) an arc to the next point about the centre after c; other vN are vias at no path point)
3V3: C3.2 C6.2 C11.2 C12.2 C13.2 C14.2 CN2.2 FB1.1 JP3.1 R5.2 R6.2 R7.1 R8.2 R17.1 U1.2 U2.5 U3.1 U3.19 U3.32 U3.48 U3.64 | length 1093.2
  Top Layer w10: C12.2@3681.7,3847.06 3698.05,3830.71 3774.84,3830.71 3799.54,3806.01 U3.64@3800.16,3806.01 ; v1(3744.09,3677.17) 3744.31,3677.38 3779.62,3677.38 U3.1@3800.16,3697.93 ; v1(3811.02,3322.83) FB1.1@3839.24,3351.05 ; R6.2@3980.31,3167.32 v1(3980.32,3212.6) ; U3.48@4117.03,4014.8 4137.8,4035.56 4137.8,4075.99 4164.05,4102.25 4164.05,4123.35 C13.2@4162.02,4125.38 ; U3.19@4144.87,3516.97 v1@4189.09,3472.76 ; R8.2@4181.1,3167.32 v1(4181.1,3203.74) ; C14.2@4192.91,3413.39 4194.95,3415.42 4194.95,3458.6 v1(4192.91,3460.63) ; U3.32@4325.82,3697.93 4326.45,3697.93 4359.13,3665.24 ; v1(4374.02,3661.42) 4404.91,3630.52 C11.2@4404.91,3625.38
  Top Layer w15: v1(3665.35,3496.06) 3667.28,3496.06 3694.88,3523.66 R5.2@3696.81,3523.66 ; R7.1@4154.32,4317.91 4154.32,4318.9 4182.19,4346.77 4182.19,4364.93 4177.17,4369.96 v1(4177.17,4374.02) ; v1(4281.5,3144.68) R7.1@4281.5,3175.2 ; R17.1@4296.47,4176.96 v1@4327.19,4207.68 ; v1(4374.02,4047.24) 4375.49,4047.24 4404.04,4075.79 R17.1@4404.53,4075.79
  Top Layer w25: U2.5@3467.1,4516.73 3467.14,4516.77 3527.52,4516.77 C6.2@3527.56,4516.81 3571.77,4516.81 v1(3571.85,4516.73) ; R7.1@4154.32,4317.91 R7.1@4154.32,4318.12 ; v1@4327.19,4207.68 v1(4327.76,4207.68)
  Bottom Layer w25: C3.2@3712.6,4316.93 3723.72,4305.81 3748.47,4305.81 3749.15,4305.12 3787.54,4305.12 3787.54,4320.18 3788.23,4320.87 U1.2@3791.34,4320.87
  other v1: 3732.28,3830.71 4137.8,4078.74
5V: C1.2 C2.2 C4.2 C5.2 D3.K POWER.3 R12.2 U1.3 U2.3 | length 2594.6
  Top Layer w10: D3.K@3803.15,3171.26 v1(3803.15,3216.54) ; R12.2@4212.52,3322.75 4212.68,3322.75 4239.28,3296.15 4249.13,3296.15 v1(4252.95,3292.32)
  Top Layer w25: U2.3@3417.1,4294.29 3417.39,4294 3417.39,4252.96 3422.32,4248.03 C5.2@3422.32,4208.66 3421.79,4208.13 3421.79,4169.82 v1(3421.26,4169.29)
  Bottom Layer w25: v1(3421.26,4169.29) 3421.75,4169.78 3421.75,4216.04 C4.2@3422.24,4216.54 3422.24,4220.47 3433.37,4231.59 3437.3,4231.59 3595.47,4389.76 4055.12,4389.76 ; v1(3803.15,3216.54) 3803.15,3143.7 3880.91,3065.94 4463.58,3065.94 ; C1.2@3868.11,4161.42 3868.11,4209.65 3885.83,4227.36 3885.83,4266.65 U1.3@3885.83,4283.46 ; 3890.45,4266.65 C2.2@3956.69,4266.65 3957.75,4267.72 3992.13,4267.72 4055.12,4330.71 4055.12,4389.76 ; v1(4252.95,3292.32) 4441.93,3292.32 ; POWER.3@4291.34,4495.39 4160.74,4495.39 4055.12,4389.76
5V_MONITOR: R12.1 R13.2 U3.20 | length 220.1
  Top Layer w10: U3.20@4158.79,3530.89 4201.18,3488.5 4228.98,3488.5 R13.2@4247.99,3469.53 ; R13.2@4247.99,3469.53 4246.6,3468.14 4246.6,3450.15 4247.99,3448.76 4247.99,3397.38 4259.84,3385.53 R12.1@4259.84,3370.08
12V: F2.1 POWER.4 R10.2 | length 739.6
  Top Layer w10: R10.2@3877.95,4114.17 3877.95,4192.91 4118.5,4433.46 4354.5,4433.46 4409.34,4488.3 POWER.4@4409.34,4495.39
12V_MONITOR: R10.1 R11.2 U3.50 | length 163.9
  Top Layer w10: R11.2@3878.03,4019.6 R10.1@3925.28,4066.85 3929.06,4066.85 U3.50@3995.03,4000.88
Blue: D5.2 U3.59 | length 704.3
  Top Layer w10: U3.59@3869.76,3875.61 3870.38,3875.61 3911.16,3834.83 v1(3912.09,3834.83) ; v1(4340.55,3734.25) 4374.3,3734.25 4445.17,3663.39 D5.2@4484.25,3663.39
  Bottom Layer w10: v1(3912.09,3834.83) 4045.09,3834.83 4147.95,3731.97 4338.27,3731.97 v1(4340.55,3734.25)
BOOT0: JP3.2 R9.2 U3.60 | length 483.2
  Top Layer w10: R9.2@3574.8,4167.32 3576.77,4165.35 3576.77,4104.2 3596.46,4084.52 JP3.2@3596.46,4079.72 3645.16,4031.02 3749.49,4031.02 3829.72,3950.79 3829.72,3888.42 3855.84,3862.31 U3.60@3855.84,3861.69
CAN_N: CN1.2 D2.2 JP2.2 R2.1 U2.6 | length 950.8
  Top Layer w15: U2.6@3417.1,4516.73 3418.19,4517.83 3418.19,4581.58 R2.1@3419.29,4582.68 3419.29,4586.61 3414.98,4590.93 3414.3,4590.93 3405.51,4599.71 3405.51,4643.78 3461.14,4699.41 3538.39,4699.41 ; JP2.2@3551.18,4659.84 3541.87,4669.15 3541.87,4687.48 3538.39,4690.96 3538.39,4699.41 ; D2.2@3739.17,4676.18 3740.16,4677.17 3740.16,4699.41 ; CN1.2@3900,4480.31 3900,4494.52 3932.09,4526.6 3932.09,4641.73 3874.41,4699.41 3740.16,4699.41 ; 3538.39,4699.41 3740.16,4699.41
CAN_P: CN1.1 D1.1 JP2.1 R2.2 U2.7 | length 1037.3
  Top Layer w15: U2.7@3367.1,4516.73 3367.6,4517.24 3367.6,4582.17 R2.2@3368.11,4582.68 3368.11,4586.61 3380.51,4599.02 3380.51,4654.13 3450.79,4724.41 3537.4,4724.41 ; JP2.1@3551.18,4759.84 3548.51,4759.84 3539.32,4750.64 3539.32,4731.52 3537.4,4729.61 3537.4,4724.41 ; D1.1@3739.17,4748.03 3738.19,4747.05 3738.19,4724.41 ; CN1.1@4000,4480.31 4000,4487.81 3970,4517.81 3965.87,4517.81 3957.09,4526.6 3957.09,4652.09 3884.76,4724.41 3738.19,4724.41 ; 3537.4,4724.41 3738.19,4724.41
Current_Shunt_ESC1_P: Q5.1@5342.72,2925.1 Q5.2@5316.73,2925.1 Q5.3@5290.75,2925.1 Q6.1@5559.25,2925.1 Q6.2@5533.27,2925.1 Q6.3@5507.28,2925.1 Q7.1@5775.79,2925.1 Q7.2@5749.8,2925.1 Q7.3@5723.82,2925.1 R38.1@5337.2,2865.75 R39.1@5553.74,2865.75 R40.1@5770.27,2865.75 R41.2@5835.43,2757.09 U7.11@4983.07,3069.1 | length 1625.5
  Top Layer w10: U7.11@4983.07,3069.1 4904.73,3069.1 4873.03,3037.4 4873.03,2813.8 5042.22,2644.61 5904.89,2644.61 5935.37,2675.08 5935.37,2694.22 v1(5937.01,2695.87)
  Bottom Layer w10: R41.2@5824.75,2695.87 v1(5937.01,2695.87)
Current_Shunt_ESC2_P: Q5.1@5337.01,4077.46 Q5.2@5311.02,4077.46 Q5.3@5285.04,4077.46 Q6.1@5553.54,4077.46 Q6.2@5527.56,4077.46 Q6.3@5501.58,4077.46 Q7.1@5770.08,4077.46 Q7.2@5744.1,4077.46 Q7.3@5718.11,4077.46 R38.1@5331.5,4018.11 R39.1@5548.03,4018.11 R40.1@5764.57,4018.11 R41.2@5829.73,3909.45 U7.11@4977.36,4221.46 | length 1634.1
  Top Layer w10: U7.11@4977.36,4221.46 4898.62,4221.46 4865.39,4188.23 4865.39,3963.29 5034.5,3794.18 5895.02,3794.18 5929.95,3829.12 5929.95,3849.24 v1(5931.1,3850.39)
  Bottom Layer w10: R41.2@5818.55,3850.39 v1(5931.1,3850.39)
ESC_FAULTn1: R7.2@4281.5,3234.25 U3.16 U7.2@4744.88,3273.82 | length 1266
  Top Layer w10: U3.16@4008.95,3489.14 3988.41,3468.59 3988.41,3403.32 4158.07,3233.66 R7.2@4280.91,3233.66 ; R7.2@4281.5,3234.25 4331.34,3234.25 4494.73,3070.87 v1(4625.98,3070.87) ; U7.2@4744.88,3273.82 4787.6,3273.82 4815.94,3302.17 v1(4815.94,3304.13)
  Bottom Layer w10: v1(4625.98,3070.87) 4815.94,3260.83 v1(4815.94,3304.13)
ESC_FAULTn2: R7.2@4196.08,4276.36 U3.17 U7.2@4739.17,4426.18 | length 1462.1
  Top Layer w10: U3.17@4117.03,3489.14 4117.03,3489.76 4084.91,3521.88 4084.91,3909.18 4074.8,3919.29 4074.8,4158.46 4194.39,4278.05 4286.42,4370.08 4403.54,4370.08 4459.65,4426.18 U7.2@4739.17,4426.18
ESC_SD01: U3.22 U7.5 | length 2105.7
  Top Layer w10: U3.22@4186.63,3558.73 4187.25,3558.73 4217.44,3528.54 4278.54,3528.54 4601.89,3205.2 4630.43,3205.2 v1(4631.89,3203.74) 4676.18,3203.74 4682.87,3197.05 U7.5@4744.88,3197.05 ; U7.5@4739.17,4349.41 4636.81,4349.41 4562.01,4274.61 4562.01,4140.75 4740.16,3962.6 v1(4740.16,3578.74)
  Bottom Layer w10: v1(4631.89,3203.74) 4631.89,3470.47 v1(4740.16,3578.74)
ESC_SDI1: U3.23 U7.8 | length 2113.1
  Top Layer w10: U3.23@4200.55,3572.65 4201.17,3572.65 4228.55,3545.28 4294.29,3545.28 4587.71,3251.86 4598.54,3251.86 v1(4602.36,3248.03) ; v1(4602.36,3114.17) 4607.77,3114.17 4613.88,3120.28 U7.8@4744.88,3120.28 ; U7.8@4739.17,4272.64 4678.15,4272.64 4649.61,4244.09 4649.61,4122.05 4789.37,3982.28 4789.37,3664.37 4808.07,3645.67 4808.07,3612.2 v1(4806.1,3610.24)
  Bottom Layer w10: v1(4602.36,3114.17) v1(4602.36,3248.03) 4602.36,3491.14 4721.46,3610.24 v1(4806.1,3610.24)
ESC_SDK1: U3.21 U7.6 | length 2124.3
  Top Layer w10: U3.21@4172.71,3544.81 4173.33,3544.81 4205.35,3512.8 4261.81,3512.8 4603.14,3171.46 4660.64,3171.46 v1(4664.37,3175.2) 4666.63,3172.94 4743.41,3172.94 U7.6@4744.88,3171.46 ; U7.6@4739.17,4323.82 4737.7,4322.34 4645.18,4322.34 4586.61,4263.78 4586.61,4151.57 4764.76,3973.43 4764.76,3649.61 4778.23,3636.14 4778.23,3578.07 v1(4780.51,3575.79)
  Bottom Layer w10: v1(4664.37,3175.2) 4664.37,3459.65 v1(4780.51,3575.79)
ESC_SS1: U3.8 U7.7@4744.88,3145.87 | length 1183.3
  Top Layer w10: U3.8@3897.6,3600.49 3938.84,3641.73 3982.28,3641.73 4049.21,3574.8 4049.21,3381.89 4167.32,3263.78 4360.24,3263.78 4478.82,3145.2 4744.21,3145.2 U7.7@4744.88,3145.87